# KiCad board MXKeyboard.kicad_pcb
title: MXKeyboard; rev: rev2; company: Rachel Mant; note: ISO layout; note: Full-size,
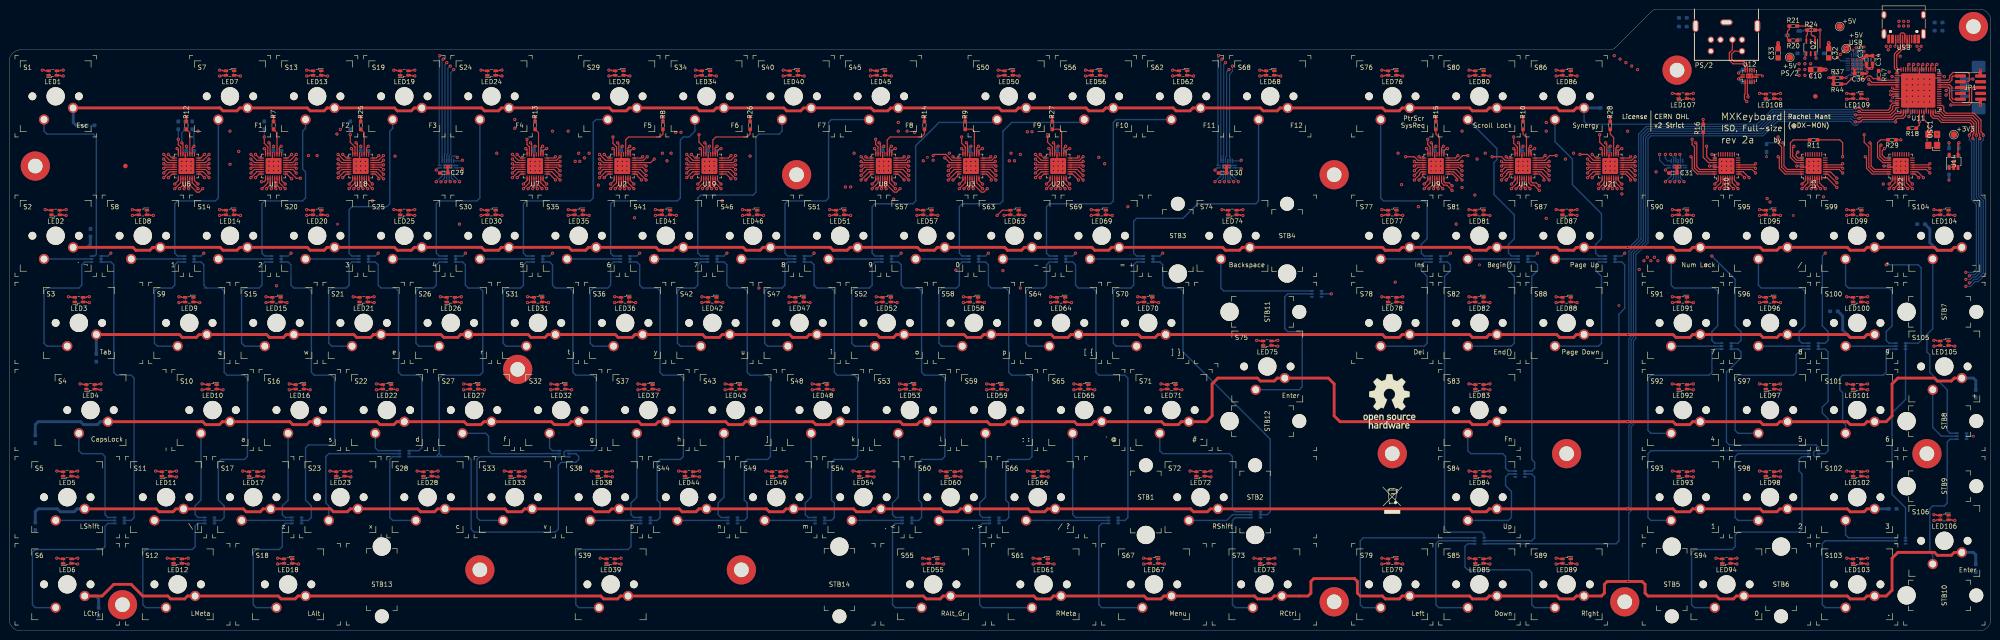
[diagram p0: board, top side]
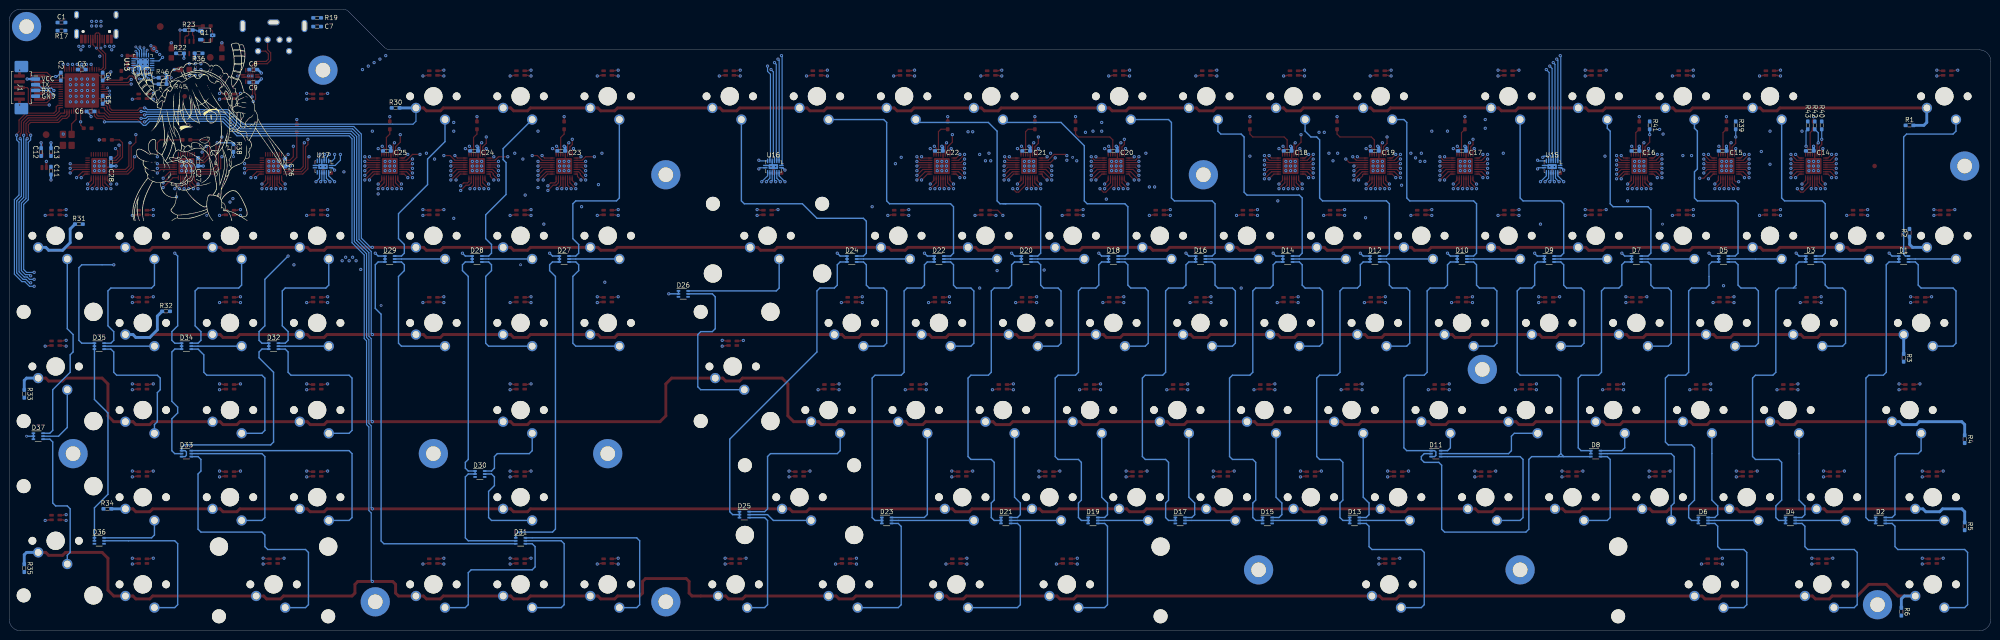
[diagram p1: board, bottom side, seen from below]

Outline 433.07 x 135.89 mm; copper layers: Top, Route4, Route6, Route10, Route12, Bottom. Coordinates in mm from the lower left corner of the outline.
Outline path: 0,124.46 0,2.54 arc(0.74,0.74) 2.54,0 430.53,0 arc(432.33,0.74) 433.07,2.54 433.07,133.35 arc(432.33,135.15) 430.53,135.89 360.04,135.89 arc(359.35,135.7) 358.77,135.26 351.15,127.64 arc(350.58,127.19) 349.88,127 2.54,127 arc(0.74,126.26) 0,124.46
Stack: Top 0.035mm / dielectric 0.274mm FR4 er 4.5 / Route4 0.035mm / dielectric 0.274mm FR4 er 4.5 / Route6 0.035mm / dielectric 0.274mm FR4 er 4.5 / Route10 0.035mm / dielectric 0.274mm FR4 er 4.5 / Route12 0.035mm / dielectric 0.274mm FR4 er 4.5 / Bottom 0.035mm

## Placement (name value [footprint] x y rotation side)
C1  0.1uF  [C0603]  421.64 132.97 0 bottom
C2  0.1uF  [C0603]  421.77 121.16 270 bottom
C3  0.1uF  [C0603]  417.19 122.68 0 bottom
C4  0.1uF  [C0603]  412.62 121.16 90 bottom
C5  0.1uF  [C0603]  412.62 116.08 90 bottom
C6  0.1uF  [C0603]  415.29 113.54 180 bottom
C7  0.1uF  [C0603]  365.76 132.08 0 bottom
C8  0.1uF  [C0603]  379.73 122.68 0 bottom
C9  0.1uF  [C0603]  379.73 119.89 0 bottom
C10  47uF  [C0805]  394.72 122.68 0 top
C11  1uF  [C0603]  423.93 100.58 90 bottom
C12  470pF  [C0603]  426.08 104.65 270 bottom
C13  1uF  [C0603]  423.93 104.65 270 bottom
C14  0.1uF  [C0603]  39.56 104.9 0 bottom
C15  0.1uF  [C0603]  58.61 104.9 0 bottom
C16  0.1uF  [C0603]  77.66 104.9 0 bottom
C17  0.1uF  [C0603]  115.57 104.9 0 bottom
C18  0.1uF  [C0603]  153.67 104.9 0 bottom
C19  0.1uF  [C0603]  134.62 104.9 0 bottom
C20  0.1uF  [C0603]  191.77 104.9 0 bottom
C21  0.1uF  [C0603]  210.8 104.9 0 bottom
C22  0.1uF  [C0603]  229.89 104.9 0 bottom
C23  0.1uF  [C0603]  312.42 104.9 0 bottom
C24  0.1uF  [C0603]  331.47 104.9 0 bottom
C25  0.1uF  [C0603]  350.52 104.9 0 bottom
C26  0.1uF  [C0603]  372.75 102.36 90 bottom
C27  0.1uF  [C0603]  391.79 102.49 90 bottom
C28  0.1uF  [C0603]  410.84 102.49 90 bottom
C29  0.1uF  [C0603]  95 100.08 0 top
C30  0.1uF  [C0603]  265.18 100.08 0 top
C31  0.1uF  [C0603]  363.6 100.08 0 top
C32  47uF  [C0805]  397.64 126.24 90 top
C33  47uF  [C0805]  386.59 126.24 90 top
C34  0.1uF  [C0603]  407.23 124.84 90 top
C35  1uF  [C0603]  405.89 124.84 90 top
C36  1uF  [C0603]  404.11 121.79 180 top
D1  BAS16VY  [SOT-363_SC-70-6]  19.05 81.28 180 bottom
D2  BAS16VY  [SOT-363_SC-70-6]  24.13 24.13 180 bottom
D3  BAS16VY  [SOT-363_SC-70-6]  39.37 81.28 180 bottom
D4  BAS16VY  [SOT-363_SC-70-6]  43.81 24.13 180 bottom
D5  BAS16VY  [SOT-363_SC-70-6]  58.42 81.28 180 bottom
D6  BAS16VY  [SOT-363_SC-70-6]  62.86 24.13 180 bottom
D7  BAS16VY  [SOT-363_SC-70-6]  77.47 81.28 180 bottom
D8  BAS16VY  [SOT-363_SC-70-6]  86.36 38.74 180 bottom
D9  BAS16VY  [SOT-363_SC-70-6]  96.52 81.28 180 bottom
D10  BAS16VY  [SOT-363_SC-70-6]  115.57 81.28 180 bottom
D11  BAS16VY  [SOT-363_SC-70-6]  121.29 38.74 180 bottom
D12  BAS16VY  [SOT-363_SC-70-6]  134.62 81.28 180 bottom
D13  BAS16VY  [SOT-363_SC-70-6]  139.06 24.13 180 bottom
D14  BAS16VY  [SOT-363_SC-70-6]  153.67 81.28 180 bottom
D15  BAS16VY  [SOT-363_SC-70-6]  158.12 24.13 180 bottom
D16  BAS16VY  [SOT-363_SC-70-6]  172.72 81.28 180 bottom
D17  BAS16VY  [SOT-363_SC-70-6]  177.16 24.13 180 bottom
D18  BAS16VY  [SOT-363_SC-70-6]  191.77 81.28 180 bottom
D19  BAS16VY  [SOT-363_SC-70-6]  196.21 24.13 180 bottom
D20  BAS16VY  [SOT-363_SC-70-6]  210.82 81.28 180 bottom
D21  BAS16VY  [SOT-363_SC-70-6]  215.26 24.13 180 bottom
D22  BAS16VY  [SOT-363_SC-70-6]  229.87 81.28 180 bottom
D23  BAS16VY  [SOT-363_SC-70-6]  241.3 24.13 180 bottom
D24  BAS16VY  [SOT-363_SC-70-6]  248.92 81.28 180 bottom
D25  BAS16VY  [SOT-363_SC-70-6]  272.41 25.4 180 bottom
D26  BAS16VY  [SOT-363_SC-70-6]  285.75 73.66 180 bottom
D27  BAS16VY  [SOT-363_SC-70-6]  311.78 81.28 180 bottom
D28  BAS16VY  [SOT-363_SC-70-6]  330.83 81.28 180 bottom
D29  BAS16VY  [SOT-363_SC-70-6]  349.88 81.28 180 bottom
D30  BAS16VY  [SOT-363_SC-70-6]  330.2 34.29 180 bottom
D31  BAS16VY  [SOT-363_SC-70-6]  321.31 19.69 180 bottom
D32  BAS16VY  [SOT-363_SC-70-6]  375.28 62.23 180 bottom
D33  BAS16VY  [SOT-363_SC-70-6]  394.33 38.74 180 bottom
D34  BAS16VY  [SOT-363_SC-70-6]  394.33 62.23 180 bottom
D35  BAS16VY  [SOT-363_SC-70-6]  413.38 62.23 180 bottom
D36  BAS16VY  [SOT-363_SC-70-6]  413.38 19.69 180 bottom
D37  BAS16VY  [SOT-363_SC-70-6]  426.72 42.55 180 bottom
DRG1  トール  [トール-34.3x39.5]  389.51 108.84 180 bottom
FID1  Fiducial  [Fiducial_1mm_Mask2mm]  25.4 101.6 0 top
FID2  Fiducial  [Fiducial_1mm_Mask2mm]  394.72 116.84 0 top
H1  MOUNT-PAD-ROUND3.2  [MountingHole_3.2mm_M3_Pad]  5.72 101.6 0 top
H2  MOUNT-PAD-ROUND3.2  [MountingHole_3.2mm_M3_Pad]  24.77 5.72 0 top
H3  MOUNT-PAD-ROUND3.2  [MountingHole_3.2mm_M3_Pad]  172.08 99.7 90 top
H4  MOUNT-PAD-ROUND3.2  [MountingHole_3.2mm_M3_Pad]  160.02 13.34 0 top
H5  MOUNT-PAD-ROUND3.2  [MountingHole_3.2mm_M3_Pad]  289.56 99.7 0 top
H6  MOUNT-PAD-ROUND3.2  [MountingHole_3.2mm_M3_Pad]  289.56 6.35 0 top
H7  MOUNT-PAD-ROUND3.2  [MountingHole_3.2mm_M3_Pad]  340.36 38.74 0 top
H8  MOUNT-PAD-ROUND3.2  [MountingHole_3.2mm_M3_Pad]  419.1 38.74 0 top
H9  MOUNT-PAD-ROUND3.2  [MountingHole_3.2mm_M3_Pad]  102.87 13.34 0 top
H10  MOUNT-PAD-ROUND3.2  [MountingHole_3.2mm_M3_Pad]  353.06 6.35 0 top
H11  MOUNT-PAD-ROUND3.2  [MountingHole_3.2mm_M3_Pad]  429.26 132.08 0 top
H12  MOUNT-PAD-ROUND3.2  [MountingHole_3.2mm_M3_Pad]  302.26 38.74 0 top
H13  MOUNT-PAD-ROUND3.2  [MountingHole_3.2mm_M3_Pad]  111.12 57.15 180 bottom
H14  MOUNT-PAD-ROUND3.2  [MountingHole_3.2mm_M3_Pad]  364.49 122.56 0 top
J1  53261-0471  [Molex_PicoBlade_53261-0471_1x04-1MP_P1.25mm_Horizontal]  429.9 118.75 270 bottom
JP1  PINHD-2X5  [PinHeader_2x05_P1.27mm_Vertical_SMD]  428.62 118.75 0 top
LED1  RGB_LED-1616  [LED0606_Clockwise]  9.52 121.92 180 top
LED2  RGB_LED-1616  [LED0606_Clockwise]  10.16 91.44 180 top
LED3  RGB_LED-1616  [LED0606_Clockwise]  15.24 72.39 180 top
LED4  RGB_LED-1616  [LED0606_Clockwise]  17.78 53.34 180 top
LED5  RGB_LED-1616  [LED0606_Clockwise]  12.7 34.29 180 top
LED6  RGB_LED-1616  [LED0606_Clockwise]  12.7 15.24 180 top
LED7  RGB_LED-1616  [LED0606_Clockwise]  48.26 121.92 0 top
LED8  RGB_LED-1616  [LED0606_Clockwise]  29.21 91.44 0 top
LED9  RGB_LED-1616  [LED0606_Clockwise]  39.37 72.39 0 top
LED10  RGB_LED-1616  [LED0606_Clockwise]  44.45 53.34 0 top
LED11  RGB_LED-1616  [LED0606_Clockwise]  34.29 34.29 180 top
LED12  RGB_LED-1616  [LED0606_Clockwise]  36.83 15.24 180 top
LED13  RGB_LED-1616  [LED0606_Clockwise]  67.31 121.92 0 top
LED14  RGB_LED-1616  [LED0606_Clockwise]  48.26 91.44 0 top
LED15  RGB_LED-1616  [LED0606_Clockwise]  58.42 72.39 0 top
LED16  RGB_LED-1616  [LED0606_Clockwise]  63.5 53.34 0 top
LED17  RGB_LED-1616  [LED0606_Clockwise]  53.34 34.29 180 top
LED18  RGB_LED-1616  [LED0606_Clockwise]  60.96 15.24 0 top
LED19  RGB_LED-1616  [LED0606_Clockwise]  86.36 121.92 180 top
LED20  RGB_LED-1616  [LED0606_Clockwise]  67.31 91.44 0 top
LED21  RGB_LED-1616  [LED0606_Clockwise]  77.47 72.39 180 top
LED22  RGB_LED-1616  [LED0606_Clockwise]  82.55 53.34 0 top
LED23  RGB_LED-1616  [LED0606_Clockwise]  72.39 34.29 180 top
LED24  RGB_LED-1616  [LED0606_Clockwise]  105.41 121.92 180 top
LED25  RGB_LED-1616  [LED0606_Clockwise]  86.36 91.44 180 top
LED26  RGB_LED-1616  [LED0606_Clockwise]  96.52 72.39 180 top
LED27  RGB_LED-1616  [LED0606_Clockwise]  101.6 53.34 0 top
LED28  RGB_LED-1616  [LED0606_Clockwise]  91.44 34.29 180 top
LED29  RGB_LED-1616  [LED0606_Clockwise]  133.35 121.92 0 top
LED30  RGB_LED-1616  [LED0606_Clockwise]  105.41 91.44 0 top
LED31  RGB_LED-1616  [LED0606_Clockwise]  115.57 72.39 0 top
LED32  RGB_LED-1616  [LED0606_Clockwise]  120.65 53.34 0 top
LED33  RGB_LED-1616  [LED0606_Clockwise]  110.49 34.29 180 top
LED34  RGB_LED-1616  [LED0606_Clockwise]  152.27 121.92 0 top
LED35  RGB_LED-1616  [LED0606_Clockwise]  124.46 91.44 0 top
LED36  RGB_LED-1616  [LED0606_Clockwise]  134.62 72.39 0 top
LED37  RGB_LED-1616  [LED0606_Clockwise]  139.7 53.34 0 top
LED38  RGB_LED-1616  [LED0606_Clockwise]  129.54 34.29 180 top
LED39  RGB_LED-1616  [LED0606_Clockwise]  131.44 15.24 180 top
LED40  RGB_LED-1616  [LED0606_Clockwise]  171.45 121.92 0 top
LED41  RGB_LED-1616  [LED0606_Clockwise]  143.51 91.44 0 top
LED42  RGB_LED-1616  [LED0606_Clockwise]  153.67 72.39 0 top
LED43  RGB_LED-1616  [LED0606_Clockwise]  158.75 53.34 0 top
LED44  RGB_LED-1616  [LED0606_Clockwise]  148.59 34.29 180 top
LED45  RGB_LED-1616  [LED0606_Clockwise]  190.5 121.92 0 top
LED46  RGB_LED-1616  [LED0606_Clockwise]  162.56 91.44 0 top
LED47  RGB_LED-1616  [LED0606_Clockwise]  172.72 72.39 0 top
LED48  RGB_LED-1616  [LED0606_Clockwise]  177.8 53.34 0 top
LED49  RGB_LED-1616  [LED0606_Clockwise]  167.64 34.29 180 top
LED50  RGB_LED-1616  [LED0606_Clockwise]  218.44 121.92 0 top
LED51  RGB_LED-1616  [LED0606_Clockwise]  181.61 91.44 0 top
LED52  RGB_LED-1616  [LED0606_Clockwise]  191.77 72.39 0 top
LED53  RGB_LED-1616  [LED0606_Clockwise]  196.85 53.34 0 top
LED54  RGB_LED-1616  [LED0606_Clockwise]  186.69 34.29 180 top
LED55  RGB_LED-1616  [LED0606_Clockwise]  201.93 15.24 0 top
LED56  RGB_LED-1616  [LED0606_Clockwise]  237.49 121.92 0 top
LED57  RGB_LED-1616  [LED0606_Clockwise]  200.66 91.44 0 top
LED58  RGB_LED-1616  [LED0606_Clockwise]  210.82 72.39 0 top
LED59  RGB_LED-1616  [LED0606_Clockwise]  215.9 53.34 0 top
LED60  RGB_LED-1616  [LED0606_Clockwise]  205.74 34.29 180 top
LED61  RGB_LED-1616  [LED0606_Clockwise]  226.06 15.24 0 top
LED62  RGB_LED-1616  [LED0606_Clockwise]  256.54 121.92 0 top
LED63  RGB_LED-1616  [LED0606_Clockwise]  219.71 91.44 0 top
LED64  RGB_LED-1616  [LED0606_Clockwise]  229.87 72.39 0 top
LED65  RGB_LED-1616  [LED0606_Clockwise]  234.95 53.34 0 top
LED66  RGB_LED-1616  [LED0606_Clockwise]  224.79 34.29 180 top
LED67  RGB_LED-1616  [LED0606_Clockwise]  250.19 15.24 0 top
LED68  RGB_LED-1616  [LED0606_Clockwise]  275.59 121.92 0 top
LED69  RGB_LED-1616  [LED0606_Clockwise]  238.76 91.44 0 top
LED70  RGB_LED-1616  [LED0606_Clockwise]  248.92 72.39 0 top
LED71  RGB_LED-1616  [LED0606_Clockwise]  254 53.34 0 top
LED72  RGB_LED-1616  [LED0606_Clockwise]  260.35 34.29 180 top
LED73  RGB_LED-1616  [LED0606_Clockwise]  274.32 15.24 180 top
LED74  RGB_LED-1616  [LED0606_Clockwise]  267.33 91.44 180 top
LED75  RGB_LED-1616  [LED0606_Clockwise]  274.95 62.87 180 top
LED76  RGB_LED-1616  [LED0606_Clockwise]  302.26 121.92 0 top
LED77  RGB_LED-1616  [LED0606_Clockwise]  302.26 91.44 0 top
LED78  RGB_LED-1616  [LED0606_Clockwise]  302.26 72.39 180 top
LED79  RGB_LED-1616  [LED0606_Clockwise]  302.26 15.24 0 top
LED80  RGB_LED-1616  [LED0606_Clockwise]  321.31 121.92 0 top
LED81  RGB_LED-1616  [LED0606_Clockwise]  321.31 91.44 0 top
LED82  RGB_LED-1616  [LED0606_Clockwise]  321.31 72.39 0 top
LED83  RGB_LED-1616  [LED0606_Clockwise]  321.31 53.34 180 top
LED84  RGB_LED-1616  [LED0606_Clockwise]  321.31 34.29 180 top
LED85  RGB_LED-1616  [LED0606_Clockwise]  321.31 15.24 180 top
LED86  RGB_LED-1616  [LED0606_Clockwise]  340.36 121.92 0 top
LED87  RGB_LED-1616  [LED0606_Clockwise]  340.36 91.44 180 top
LED88  RGB_LED-1616  [LED0606_Clockwise]  340.36 72.39 0 top
LED89  RGB_LED-1616  [LED0606_Clockwise]  340.36 15.24 0 top
LED90  RGB_LED-1616  [LED0606_Clockwise]  365.76 91.44 0 top
LED91  RGB_LED-1616  [LED0606_Clockwise]  365.76 72.39 0 top
LED92  RGB_LED-1616  [LED0606_Clockwise]  365.76 53.34 180 top
LED93  RGB_LED-1616  [LED0606_Clockwise]  365.76 34.29 180 top
LED94  RGB_LED-1616  [LED0606_Clockwise]  375.28 15.24 180 top
LED95  RGB_LED-1616  [LED0606_Clockwise]  384.81 91.44 0 top
LED96  RGB_LED-1616  [LED0606_Clockwise]  384.81 72.39 0 top
LED97  RGB_LED-1616  [LED0606_Clockwise]  384.81 53.34 180 top
LED98  RGB_LED-1616  [LED0606_Clockwise]  384.81 34.29 180 top
LED99  RGB_LED-1616  [LED0606_Clockwise]  403.86 91.44 0 top
LED100  RGB_LED-1616  [LED0606_Clockwise]  403.86 72.39 180 top
LED101  RGB_LED-1616  [LED0606_Clockwise]  403.86 53.34 180 top
LED102  RGB_LED-1616  [LED0606_Clockwise]  403.86 34.29 180 top
LED103  RGB_LED-1616  [LED0606_Clockwise]  403.86 15.24 180 top
LED104  RGB_LED-1616  [LED0606_Clockwise]  422.91 91.44 0 top
LED105  RGB_LED-1616  [LED0606_Clockwise]  422.91 62.87 0 top
LED106  RGB_LED-1616  [LED0606_Clockwise]  422.91 24.77 0 top
LED107  RGB_LED-1616  [LED0606_Clockwise]  365.76 116.84 180 top
LED108  RGB_LED-1616  [LED0606_Clockwise]  384.81 116.84 180 top
LED109  RGB_LED-1616  [LED0606_Clockwise]  403.86 116.84 0 top
LOGO1  Logo_Open_Hardware_Small  [OSHW-Logo_11.4x12mm_SilkScreen]  301.62 50.17 0 top
OSC1  16MHz  [SMD3225]  420.37 107.32 90 top
PS/2  Mini-DIN-6  [TM 0508 A_6]  375.28 132.21 0 top
Q1  DMN65D8L  [SOT-23]  389.89 130.18 180 bottom
Q2  DMP2240UDM  [SOT-26]  393.7 127.51 270 top
R1  20k  [R0603]  17.78 110.49 180 bottom
R2  20k  [R0603]  17.78 87 270 bottom
R3  20k  [R0603]  19.05 59.69 90 bottom
R4  20k  [R0603]  5.72 41.91 90 bottom
R5  20k  [R0603]  5.72 22.86 90 bottom
R6  20k  [R0603]  19.56 4.19 90 bottom
R7  33k  [R0603]  57.79 110.49 90 top
R8  33k  [R0603]  142.88 110.49 90 top
R9  33k  [R0603]  208.91 110.49 90 top
R10  33k  [R0603]  330.83 110.49 90 top
R11  33k  [R0603]  394.33 107.32 0 top
R12  15k  [R0603]  38.73 110.49 90 top
R13  15k  [R0603]  114.93 110.49 90 top
R14  15k  [R0603]  200.02 110.49 90 top
R15  15k  [R0603]  311.78 110.49 90 top
R16  15k  [R0603]  370.2 109.86 90 top
R17  1M  [R0603]  421.64 131.19 0 bottom
R18  10k  [R0603]  415.92 109.86 180 top
R19  1M  [R0603]  365.76 133.99 180 bottom
R20  10k  [R0603]  389.89 129.03 180 top
R21  10k  [R0603]  389.89 132.21 180 top
R22  10k  [R0603]  395.73 126.24 0 bottom
R23  10k  [R0603]  393.83 131.32 180 bottom
R24  10k  [R0603]  393.83 131.32 0 top
R25  15k  [R0603]  76.83 110.49 90 top
R26  15k  [R0603]  161.93 110.49 90 top
R27  15k  [R0603]  227.96 110.49 90 top
R28  15k  [R0603]  349.88 110.49 90 top
R29  15k  [R0603]  411.48 107.32 0 top
R30  20k  [R0603]  348.62 114.3 0 bottom
R31  20k  [R0603]  417.83 88.9 180 bottom
R32  20k  [R0603]  398.78 69.85 180 bottom
R33  20k  [R0603]  429.77 51.82 270 bottom
R34  20k  [R0603]  411.61 26.67 0 bottom
R35  20k  [R0603]  429.77 13.72 270 bottom
R36  10k  [R0603]  391.67 126.24 180 bottom
R37  5k1  [R0603]  399.54 120.9 180 top
R38  10k  [R0603]  384.05 105.54 270 bottom
R39  DNP  [R0603]  55.75 110.49 90 bottom
R40  DNP  [R0603]  36.96 110.49 270 bottom
R41  DNP  [R0603]  74.55 110.49 270 bottom
R42  DNP  [R0603]  38.48 110.49 270 bottom
R43  DNP  [R0603]  40 110.49 90 bottom
R44  5k1  [R0603]  399.54 119.51 180 top
R45  1k  [R0603]  399.54 119.51 180 bottom
R46  1k  [R0603]  399.54 120.9 180 bottom
R47  10k  [R0603]  408.56 121.54 270 top
REF**  -  [WEEE-Logo_4.2x6mm_SilkScreen]  302.26 28.58 0 top
S1  Esc  [MX_KEY_NORM]  10.16 116.84 180 top
S2  ` ¬  [MX_KEY_NORM]  10.16 86.36 180 top
S3  Tab  [MX_KEY_1.1]  15.24 67.31 180 top
S4  CapsLock  [MX_KEY_1.3]  17.78 48.26 180 top
S5  LShift  [MX_KEY_1.25u]  12.7 29.21 180 top
S6  LCtrl  [MX_KEY_1.25u]  12.7 10.16 180 top
S7  F1  [MX_KEY_NORM]  48.26 116.84 180 top
S8  1  [MX_KEY_NORM]  29.21 86.36 180 top
S9  q  [MX_KEY_NORM]  39.37 67.31 180 top
S10  a  [MX_KEY_NORM]  44.45 48.26 180 top
S11  \ |  [MX_KEY_NORM]  34.29 29.21 180 top
S12  LMeta  [MX_KEY_1.25u]  36.83 10.16 180 top
S13  F2  [MX_KEY_NORM]  67.31 116.84 180 top
S14  2  [MX_KEY_NORM]  48.26 86.36 180 top
S15  w  [MX_KEY_NORM]  58.42 67.31 180 top
S16  s  [MX_KEY_NORM]  63.5 48.26 180 top
S17  z  [MX_KEY_NORM]  53.34 29.21 180 top
S18  LAlt  [MX_KEY_1.25u]  60.96 10.16 180 top
S19  F3  [MX_KEY_NORM]  86.36 116.84 180 top
S20  3  [MX_KEY_NORM]  67.31 86.36 180 top
S21  e  [MX_KEY_NORM]  77.47 67.31 180 top
S22  d  [MX_KEY_NORM]  82.55 48.26 180 top
S23  x  [MX_KEY_NORM]  72.39 29.21 180 top
S24  F4  [MX_KEY_NORM]  105.41 116.84 180 top
S25  4  [MX_KEY_NORM]  86.36 86.36 180 top
S26  r  [MX_KEY_NORM]  96.52 67.31 180 top
S27  f  [MX_KEY_NORM]  101.6 48.26 180 top
S28  c  [MX_KEY_NORM]  91.44 29.21 180 top
S29  F5  [MX_KEY_NORM]  133.35 116.84 180 top
S30  5  [MX_KEY_NORM]  105.41 86.36 180 top
S31  t  [MX_KEY_NORM]  115.57 67.31 180 top
S32  g  [MX_KEY_NORM]  120.65 48.26 180 top
S33  v  [MX_KEY_NORM]  110.49 29.21 180 top
S34  F6  [MX_KEY_NORM]  152.4 116.84 180 top
S35  6  [MX_KEY_NORM]  124.46 86.36 180 top
S36  y  [MX_KEY_NORM]  134.62 67.31 180 top
S37  h  [MX_KEY_NORM]  139.7 48.26 180 top
S38  b  [MX_KEY_NORM]  129.54 29.21 180 top
S39  Space  [MX_KEY_4.45]  131.44 10.16 180 top
S40  F7  [MX_KEY_NORM]  171.45 116.84 180 top
S41  7  [MX_KEY_NORM]  143.51 86.36 180 top
S42  u  [MX_KEY_NORM]  153.67 67.31 180 top
S43  j  [MX_KEY_NORM]  158.75 48.26 180 top
S44  n  [MX_KEY_NORM]  148.59 29.21 180 top
S45  F8  [MX_KEY_NORM]  190.5 116.84 180 top
S46  8  [MX_KEY_NORM]  162.56 86.36 180 top
S47  i  [MX_KEY_NORM]  172.72 67.31 180 top
S48  k  [MX_KEY_NORM]  177.8 48.26 180 top
S49  m  [MX_KEY_NORM]  167.64 29.21 180 top
S50  F9  [MX_KEY_NORM]  218.44 116.84 180 top
S51  9  [MX_KEY_NORM]  181.61 86.36 180 top
S52  o  [MX_KEY_NORM]  191.77 67.31 180 top
S53  l  [MX_KEY_NORM]  196.85 48.26 180 top
S54  , <  [MX_KEY_NORM]  186.69 29.21 180 top
S55  RAlt_Gr  [MX_KEY_1.25u]  201.93 10.16 180 top
S56  F10  [MX_KEY_NORM]  237.49 116.84 180 top
S57  0  [MX_KEY_NORM]  200.66 86.36 180 top
S58  p  [MX_KEY_NORM]  210.82 67.31 180 top
S59  ; :  [MX_KEY_NORM]  215.9 48.26 180 top
S60  . >  [MX_KEY_NORM]  205.74 29.21 180 top
S61  RMeta  [MX_KEY_1.25u]  226.06 10.16 180 top
S62  F11  [MX_KEY_NORM]  256.54 116.84 180 top
S63  - _  [MX_KEY_NORM]  219.71 86.36 180 top
S64  [ {  [MX_KEY_NORM]  229.87 67.31 180 top
S65  ' @  [MX_KEY_NORM]  234.95 48.26 180 top
S66  / ?  [MX_KEY_NORM]  224.79 29.21 180 top
S67  Menu  [MX_KEY_1.25u]  250.19 10.16 180 top
S68  F12  [MX_KEY_NORM]  275.59 116.84 180 top
S69  = +  [MX_KEY_NORM]  238.76 86.36 180 top
S70  ] }  [MX_KEY_NORM]  248.92 67.31 180 top
S71  # ~  [MX_KEY_NORM]  254 48.26 180 top
S72  RShift  [MX_KEY_2]  260.35 29.21 180 top
S73  RCtrl  [MX_KEY_1.25u]  274.32 10.16 180 top
S74  Backspace  [MX_KEY_0.7X1.45]  267.33 86.36 180 top
S75  Enter  [MX_KEY_ENTER]  274.95 57.79 180 top
S76  SysReq  [MX_KEY_NORM]  302.26 116.84 180 top
S77  Ins  [MX_KEY_NORM]  302.26 86.36 180 top
S78  Del  [MX_KEY_NORM]  302.26 67.31 180 top
S79  Left  [MX_KEY_NORM]  302.26 10.16 180 top
S80  Scroll Lock  [MX_KEY_NORM]  321.31 116.84 180 top
S81  Begin()  [MX_KEY_NORM]  321.31 86.36 180 top
S82  End()  [MX_KEY_NORM]  321.31 67.31 180 top
S83  Fn  [MX_KEY_NORM]  321.31 48.26 180 top
S84  Up  [MX_KEY_NORM]  321.31 29.21 180 top
S85  Down  [MX_KEY_NORM]  321.31 10.16 180 top
S86  Synergy  [MX_KEY_NORM]  340.36 116.84 180 top
S87  Page Up  [MX_KEY_NORM]  340.36 86.36 180 top
S88  Page Down  [MX_KEY_NORM]  340.36 67.31 180 top
S89  Right  [MX_KEY_NORM]  340.36 10.16 180 top
S90  Num Lock  [MX_KEY_NORM]  365.76 86.36 180 top
S91  7  [MX_KEY_NORM]  365.76 67.31 180 top
S92  4  [MX_KEY_NORM]  365.76 48.26 180 top
S93  1  [MX_KEY_NORM]  365.76 29.21 180 top
S94  0  [MX_KEY_0.7X1.45]  375.28 10.16 180 top
S95  /  [MX_KEY_NORM]  384.81 86.36 180 top
S96  8  [MX_KEY_NORM]  384.81 67.31 180 top
S97  5  [MX_KEY_NORM]  384.81 48.26 180 top
S98  2  [MX_KEY_NORM]  384.81 29.21 180 top
S99  *  [MX_KEY_NORM]  403.86 86.36 180 top
S100  9  [MX_KEY_NORM]  403.86 67.31 180 top
S101  6  [MX_KEY_NORM]  403.86 48.26 180 top
S102  3  [MX_KEY_NORM]  403.86 29.21 180 top
S103  .  [MX_KEY_NORM]  403.86 10.16 180 top
S104  -  [MX_KEY_NORM]  422.91 86.36 180 top
S105  +  [MX_KEY_1.45X0.7]  422.91 57.79 180 top
S106  Enter  [MX_KEY_1.45X0.7]  422.91 19.69 180 top
STB1  Cherry_MX_Stabiliser  [MX_STABILISER]  248.41 29.21 0 top
STB2  Cherry_MX_Stabiliser  [MX_STABILISER]  272.29 29.21 0 top
STB3  Cherry_MX_Stabiliser  [MX_STABILISER]  255.4 86.36 0 top
STB4  Cherry_MX_Stabiliser  [MX_STABILISER]  279.27 86.36 0 top
STB5  Cherry_MX_Stabiliser  [MX_STABILISER]  363.35 10.16 180 top
STB6  Cherry_MX_Stabiliser  [MX_STABILISER]  387.22 10.16 180 top
STB7  Cherry_MX_Stabiliser  [MX_STABILISER]  422.91 69.72 270 top
STB8  Cherry_MX_Stabiliser  [MX_STABILISER]  422.91 45.85 270 top
STB9  Cherry_MX_Stabiliser  [MX_STABILISER]  422.91 31.62 270 top
STB10  Cherry_MX_Stabiliser  [MX_STABILISER]  422.91 7.75 270 top
STB11  Cherry_MX_Stabiliser  [MX_STABILISER]  274.95 69.72 270 top
STB12  Cherry_MX_Stabiliser  [MX_STABILISER]  274.95 45.85 270 top
STB13  Cherry_MX_Stabiliser  [MX_STABILISER]  81.45 10.16 180 top
STB14  Cherry_MX_Stabiliser  [MX_STABILISER]  181.44 10.16 180 top
TP1  5V USB  [TestPoint_Pad_D1.5mm]  401.45 127.25 0 top
TP2  +5V  [TestPoint_Pad_D1.5mm]  400.05 132.08 0 top
TP3  5V PS2  [TestPoint_Pad_D1.5mm]  389.13 125.35 0 top
TP4  +3V3  [TestPoint_Pad_D1.5mm]  424.99 108.46 0 top
U1  TLC5947RHBT  [VQFN-32-1EP_5x5mm_P0.5mm_EP3.5x3.5mm]  57.79 101.6 0 top
U2  TLC5947RHBT  [VQFN-32-1EP_5x5mm_P0.5mm_EP3.5x3.5mm]  133.99 101.6 0 top
U3  TLC5947RHBT  [VQFN-32-1EP_5x5mm_P0.5mm_EP3.5x3.5mm]  210.19 101.6 0 top
U4  TLC5947RHBT  [VQFN-32-1EP_5x5mm_P0.5mm_EP3.5x3.5mm]  330.83 101.6 0 top
U5  TLC5947RHBT  [VQFN-32-1EP_5x5mm_P0.5mm_EP3.5x3.5mm]  394.33 101.6 90 top
U6  TLC5947RHBT  [VQFN-32-1EP_5x5mm_P0.5mm_EP3.5x3.5mm]  38.73 101.6 0 top
U7  TLC5947RHBT  [VQFN-32-1EP_5x5mm_P0.5mm_EP3.5x3.5mm]  114.93 101.6 0 top
U8  TLC5947RHBT  [VQFN-32-1EP_5x5mm_P0.5mm_EP3.5x3.5mm]  191.13 101.6 0 top
U9  TLC5947RHBT  [VQFN-32-1EP_5x5mm_P0.5mm_EP3.5x3.5mm]  311.78 101.6 0 top
U10  TLC5947RHBT  [VQFN-32-1EP_5x5mm_P0.5mm_EP3.5x3.5mm]  375.28 101.6 90 top
U11  ATXMEGA256A3U-MH  [QFN-64-1EP_9x9mm_P0.5mm_EP7.5x7.5mm]  417.19 118.11 180 top
U12  NTS0104  [DHVQFN-14-1EP_2.5x3mm_P0.5mm_EP1x1.5mm]  380.37 121.29 0 top
U13  CYPD3177  [QFN-24-1EP_4x4mm_P0.5mm_EP2.6x2.6mm]  403.86 123.83 90 bottom
U14  TC1015-3.3VCT713  [SOT-23-5]  424.94 102.62 90 top
U15  74HC238BQ  [DQFN16_1EP_2.5x3.5mm_P0.5mm]  95.89 101.47 0 bottom
U16  74HC238BQ  [DQFN16_1EP_2.5x3.5mm_P0.5mm]  266.06 101.47 0 bottom
U17  74HC238BQ  [DQFN16_1EP_2.5x3.5mm_P0.5mm]  364.49 101.47 0 bottom
U18  TLC5947RHBT  [VQFN-32-1EP_5x5mm_P0.5mm_EP3.5x3.5mm]  76.83 101.6 0 top
U19  TLC5947RHBT  [VQFN-32-1EP_5x5mm_P0.5mm_EP3.5x3.5mm]  153.04 101.6 0 top
U20  TLC5947RHBT  [VQFN-32-1EP_5x5mm_P0.5mm_EP3.5x3.5mm]  229.23 101.6 0 top
U21  TLC5947RHBT  [VQFN-32-1EP_5x5mm_P0.5mm_EP3.5x3.5mm]  349.88 101.6 0 top
U22  TLC5947RHBT  [VQFN-32-1EP_5x5mm_P0.5mm_EP3.5x3.5mm]  413.38 101.6 90 top
USB1  TYPE-C-31-M-12  [USB_C_Receptacle_HRO_TYPE-C-31-M-12]  414.02 133.6 180 top
